# Altium PCB Stabiliser.PCBDOC (part 5 of 8)
Units mm, origin at the board's own origin, x right, y up, seen from the top; angles counter-clockwise.
Board outline 162.48 x 100 mm, 4 copper layers (Top, GP1(GND), L3, Bot), stack 1.648 mm thick; 687 components, 419 nets, 2139 pads, 1048 vias.
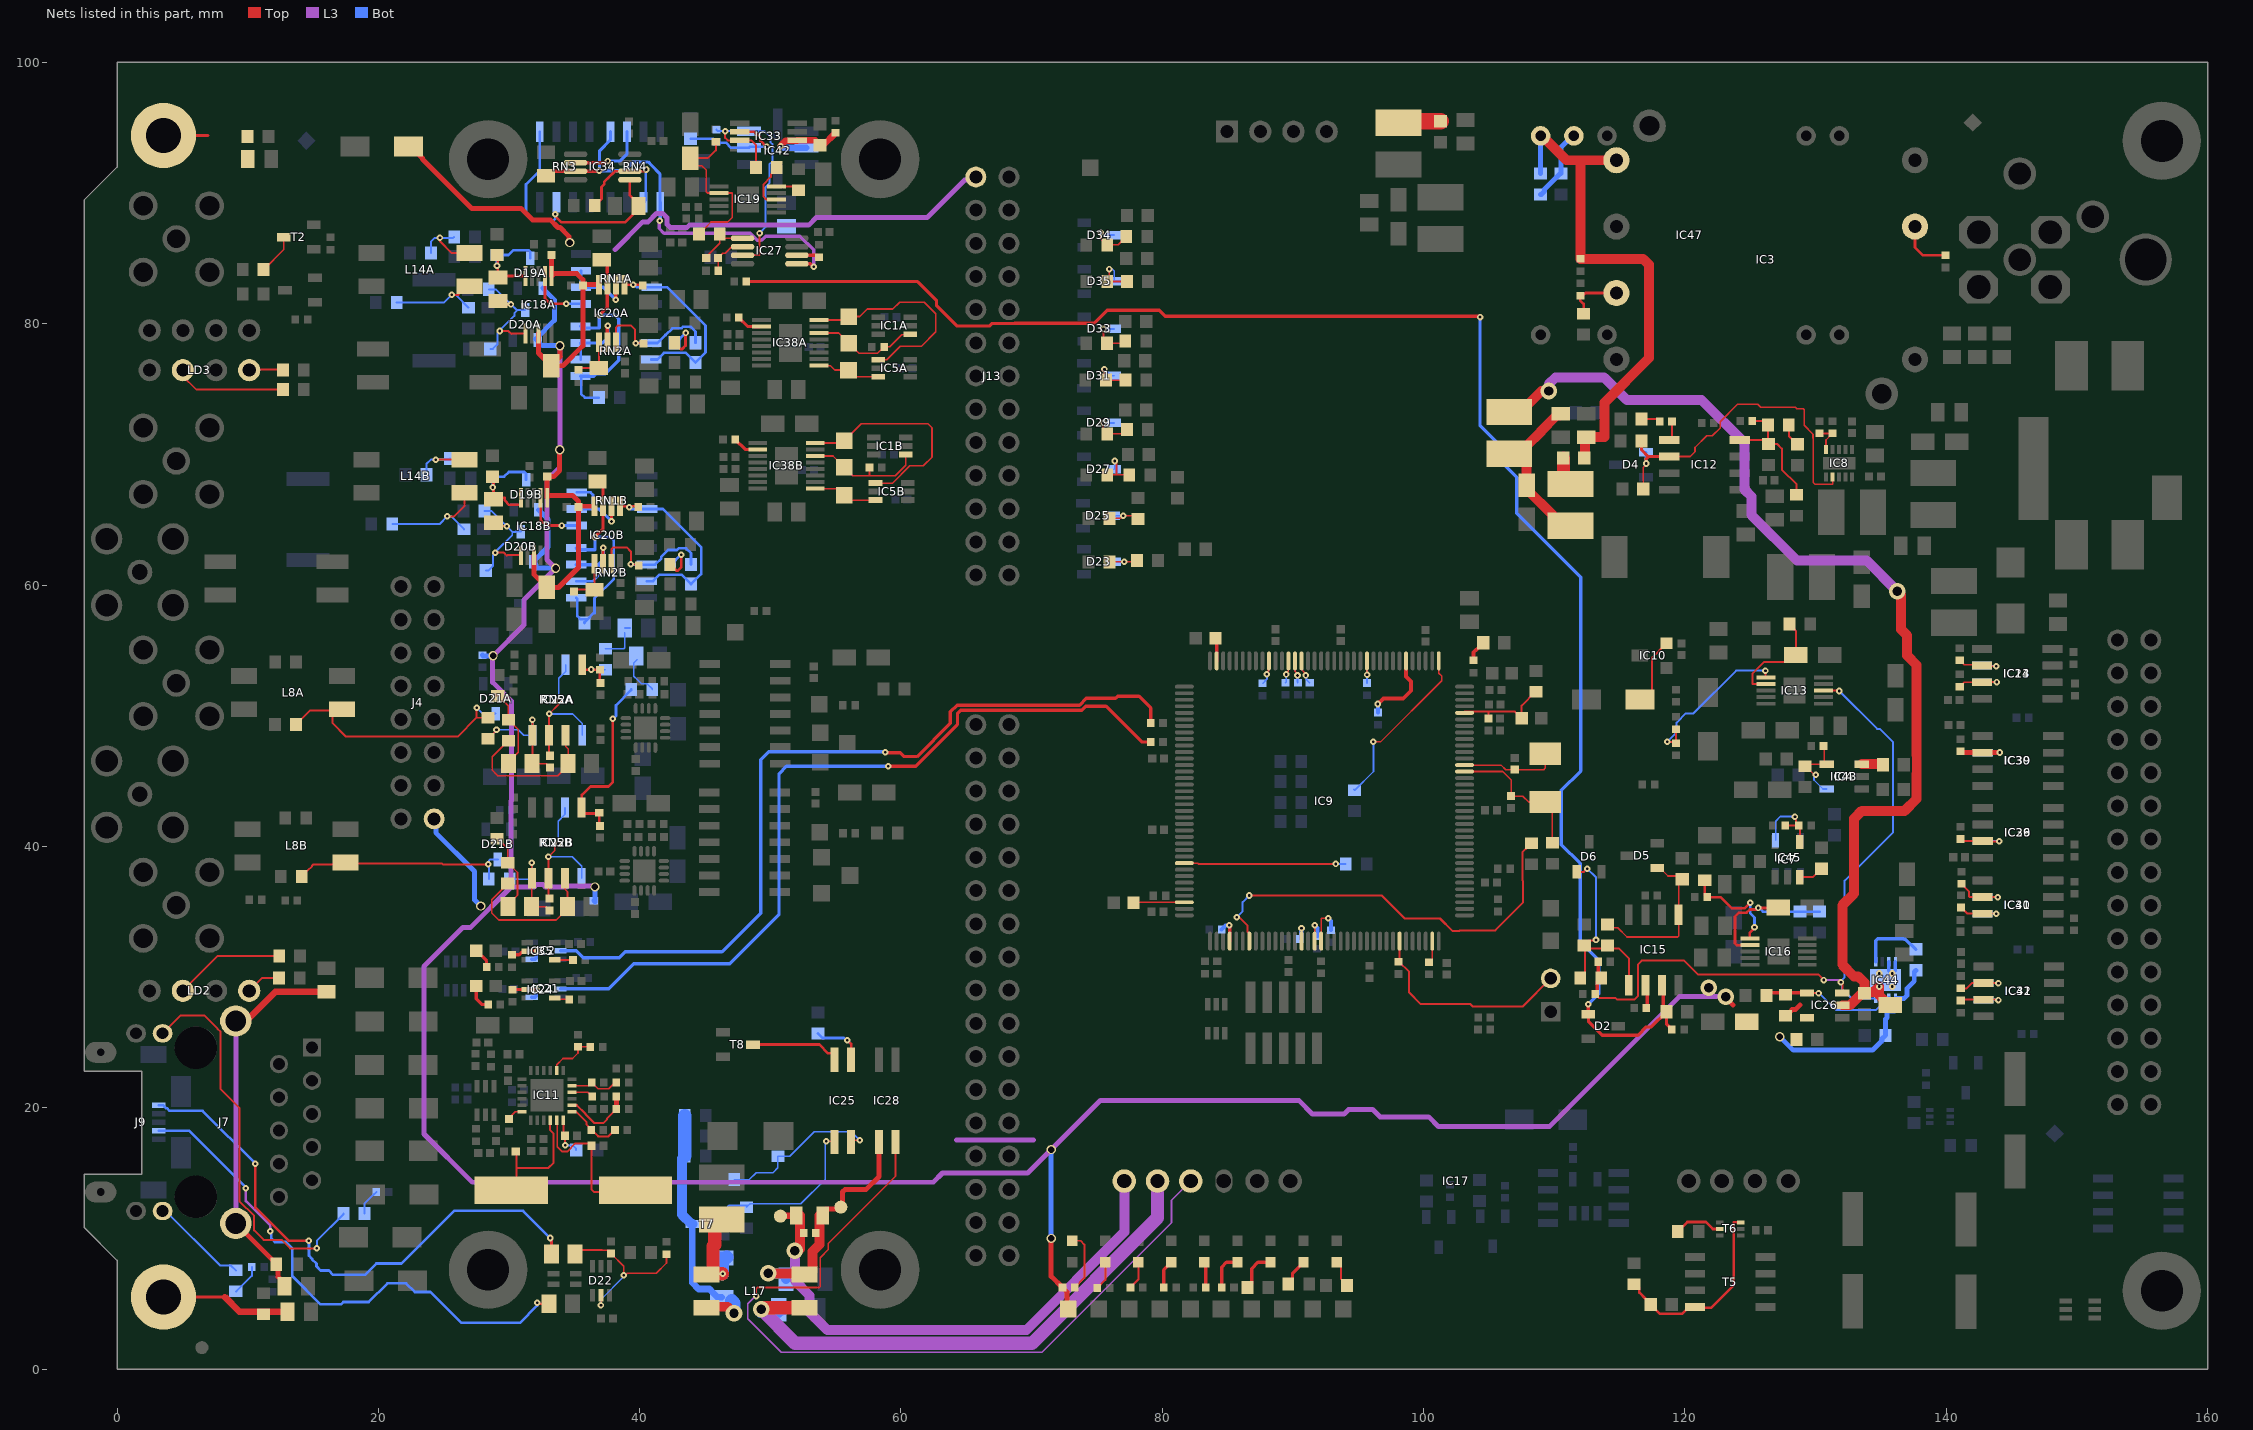
[diagram p7: the nets of this part, all layers, seen from the top]

## Via types
v1: diameter 0.5, hole 0.2, Top to Bot, tented both sides, 829 vias
v2: diameter 0.7, hole 0.5, Top to Bot, tented both sides, 83 vias
v3: diameter 0.5, hole 0.2, Top to Bot, 52 vias
v4: diameter 0.6, hole 0.3, Top to Bot, tented both sides, 41 vias
v5: diameter 1.27, hole 0.711, Top to Bot, tented both sides, 37 vias
v6: diameter 0.66, hole 0.33, Top to Bot, tented both sides, 5 vias
v7: diameter 1, hole 0.6, Top to Bot, tented both sides, 1 vias

## Nets (pads, with @x,y where several pads share a name; then routed paths per layer and width w, separated by ;. In a path a pad name is that pad's centre, name@x,y a point inside that pad or via, vN(x,y) a via of type N, cw(c..) or ccw(c..) an arc to the next point about the centre after c; other vN are vias at no path point) (continued)
N12V0A: C46.2 C89.2 C129A.2 C129B.2 C130A.2 C130B.2 C133A.2 C133B.2 C170.2 C174.2 D9.2 D19A.1 D19B.1 D20A.1 D20B.1 IC18A.3 IC18A.6 IC18B.3 IC18B.6 IC20A.4 IC20B.4 IC26.5 IC44.1 IC44.2 J4.16 J13.26 L18A.1 L18B.1 R32.2 R61.2 TP9.1 | length 328.1
  Top w0.381: D9.2@22.411,93.758 22.411,93.571 22.486,93.571 23.37,92.686 23.37,92.611 27.158,88.824 30.927,88.824 31.795,87.955 33.162,87.955 33.752,87.366 33.913,87.366 34.584,86.695 34.584,86.28 v2(34.645,86.219) ; IC18B.3@31.927,62.295 31.927,60.799 C130B.2@32.902,59.824 33.795,59.824 35.322,61.352 C133B.2@35.322,65.974 C133B.2@35.322,66.036 ; IC18A.3@32.261,79.259 32.261,77.764 C130A.2@33.236,76.789 ; C129A.2@33.261,85.264 IC18A.6@33.261,83.659 33.443,83.841 35.189,83.841 35.657,83.373 C133A.2@35.657,83.001 ; v2(33.884,70.358) 33.884,68.758 33.425,68.299 C129B.2@32.927,68.299 IC18B.6@32.927,66.695 33.108,66.876 34.855,66.876 35.322,66.408 C133B.2@35.322,66.036 ; v2(33.898,78.323) 33.898,77.578 33.961,77.514 C130A.2@33.236,76.789 ; IC20B.4@36.545,66.036 C133B.2@35.322,66.036 ; IC20A.4@36.88,83.001 C133A.2@35.657,83.001 ; v2(71.5,10) 71.5,7.105 R61.2@72.364,6.241 72.697,5.908 72.697,4.704 TP9.1@72.804,4.597 ; v5@123.071,28.467 123.66,27.877 ; R32.2@127.692,27.046 127.742,27.046 128.205,27.509 128.446,27.509 128.792,27.856 128.792,27.877 ; C130A.2@33.236,76.789 34.129,76.789 35.657,78.317 C133A.2@35.657,82.939 C133A.2@35.657,83.001
  L3 w0.381: v2(33.884,70.358) 33.884,69.012 32.893,68.021 32.893,61.965 v2(33.563,61.295) 31.146,58.877 31.146,56.957 28.749,54.56 28.749,52.563 30.196,51.116 30.196,43.515 30.15,43.469 30.15,36.902 ; v2@33.898,70.358 v2(33.898,78.323) ; v2(36.576,36.906) 36.495,36.987 34.476,36.987 34.391,36.902 32.792,36.902 32.592,37.102 32.122,37.102 31.921,36.902 30.15,36.902 ; 38.125,85.693 40.24,87.808 40.65,87.808 41.294,88.451 41.764,88.451 42.096,88.119 42.096,87.607 42.32,87.384 43.632,87.384 43.802,87.554 52.934,87.554 53.518,88.138 62.001,88.138 64.87,91.007 65.497,91.007 J13.26@65.73,91.24 ; 64.258,17.526 70.141,17.526 ; v5(123.127,28.5) 119.567,28.5 109.621,18.554 101.137,18.554 100.387,19.304 96.665,19.304 96.097,19.872 94.263,19.872 93.92,19.528 91.485,19.528 90.445,20.568 75.265,20.568 v2(71.5,16.804) 69.7,15.004 63.176,15.004 62.473,14.3 27.196,14.3 23.5,17.996 23.5,30.831 26.482,33.813 27.061,33.813 30.15,36.902
  Bot w0.381: J4.16@24.27,42.11 24.397,41.983 24.397,41.059 27.356,38.1 27.356,35.916 v2(27.838,35.433) ; L18A.1@27.986,54.635 28.028,54.593 v2(28.778,54.593) ; D20B.1@31.859,61.794 32.981,62.917 32.981,65.033 D19B.1@32.254,65.759 ; D20B.1@32.057,61.597 31.956,61.495 32.156,61.295 v2(33.563,61.295) ; D19A.1@32.589,82.724 33.473,81.84 33.473,80.262 32.041,78.83 32.153,78.718 32.548,78.323 v2(33.898,78.323) ; L18B.1@36.489,35.847 36.576,35.76 v2(36.576,36.906) ; v2(71.5,10) v2(71.5,16.804) ; v2(127.26,25.438) 128.29,24.408 134.358,24.408 135.025,25.075 135.05,25.075 135.066,25.09 135.066,25.261 135.36,25.555 135.36,26.789 135.475,26.904 135.475,27.27 135.607,27.402 ; IC44.2@135.607,28.377 135.607,27.402 ; C170.2@137.674,30.518 137.549,30.393 137.549,29.688 137.002,29.14 137.002,28.6 136.778,28.377 IC44.1@136.107,28.377 136.107,27.485 136.023,27.402 135.607,27.402
  other v5: 121.832,29.186
N13V0: C19.2 C44.2 IC26.2 IC44.7 IC44.8 IC44.9 L13.2 | length 83.9
  Top w0.762: L13.2@107.25,73.326 107.489,73.326 109.017,74.854 v5(109.576,74.854) ; IC26.2@132.042,27.846 132.635,27.846 133.555,28.765 C44.2@133.731,28.765 133.731,29.591 133.265,30.057 132.936,30.057 132.042,30.951 132.042,35.498 132.929,36.386 132.929,42.124 133.532,42.727 136.816,42.727 137.725,43.635 137.725,45.528 137.74,45.543 137.74,46.964 137.725,46.979 137.725,53.885 137.008,54.602 137.008,56.144 136.531,56.621 136.531,59.252 v5(136.246,59.538) ; C44.2@133.756,28.765 133.85,28.859 134.439,28.859 v3(134.857,29.277) 134.857,28.632 135.618,27.871 C19.2@135.7,27.871
  L3 w0.762: v5(109.576,74.854) 109.576,75.382 110.089,75.895 113.823,75.895 115.55,74.168 121.278,74.168 124.571,70.875 124.571,67.306 125.095,66.782 125.095,65.354 128.575,61.874 133.909,61.874 v5(136.246,59.538)
  Bot w0.254: IC44.7@135.607,31.177 135.607,30.475 135.805,30.277 v3(135.857,30.277) 135.909,30.277 136.107,30.475 IC44.8@136.107,31.177
  other v3: 135.857,29.277 134.857,30.277
N13V0FIL: C18.2 C42.2 L12.2 L13.1 | length 14.7
  Top w0.762: L13.1@107.399,70.058 L13.1@107.885,69.572 ; C18.2@107.885,67.643 C18.2@107.885,67.368 ; C42.2@110.5,73.126 110.356,72.982 110.181,72.982 108.979,71.781 108.979,71.734 107.922,70.677 107.449,70.203 107.449,70.058 L13.1@106.553,70.058 107.039,69.572 L13.1@107.885,69.572 ; L12.2@111.25,64.544 110.5,64.544 109.881,65.163 109.881,65.372 C18.2@107.885,67.368 ; C18.2@107.885,67.368 L13.1@107.885,69.572
N13V0S: C40.2 IC3.4 IC47.11 L21.1 R143.1 R227.1 | length 40
  Top w0.762: IC47.11@108.957,94.388 109.057,94.388 110.928,92.516 112,92.516 ; L21.1@112.337,69.787 112.337,71.209 C40.2@112.454,71.326 113.843,71.326 113.843,73.964 117.25,77.371 117.25,84.524 116.804,84.97 112,84.97 112,92.516 ; IC3.4@114.75,92.516 112,92.516
  Bot w0.381: R227.1@108.957,91.5 IC47.11@108.957,94.388
NetB3_1: B3.1 C33.2 IC28.1 L17.4 R124.1 R127.1 | length 18.5
  Top w0.381: R124.1@54.001,11.76 54.001,11.985 54.285,12.27 55.272,12.27 55.524,12.522 55.524,13.551 55.733,13.76 57.339,13.76 58.312,14.733 IC28.1@58.312,17.374
  Top w0.762: v5@49.682,7.305 52.56,7.305 L17.4@52.62,7.244 53.02,7.244 53.239,7.463 53.239,8.992 53.772,9.525 R124.1@53.772,11.76
  Bot w0.762: v5@50.153,7.312 50.999,7.312 51.193,7.118 C33.2@51.193,6.891
  other v5: 49.835,7.332
NetB4_1: B4.1 IC17.1 R124.2 R127.2 | length 40.9
  Top w0.508: B4.1@50.775,11.709 50.8,11.735 51.975,11.735 R124.2@52.001,11.76
  Top w0.762: v5@52.057,8.986 52.255,9.185 R124.2@52.255,11.76
  L3 w0.762: v5(51.873,9.068) 51.873,6.775 53.008,5.639 53.008,4.348 54.359,2.997 69.607,2.997 77.094,10.484 IC17.1@77.094,14.391
NetC1A_1: C1A.1 IC22A.2 RN5A.3 RN5A.5 | length 11.3
  Top w0.127: C1A.1@33.152,46.94 33.067,47.025 v1(33.067,50.141) 33.812,50.887 v1(33.812,51.165)
  Bot w0.127: v1(33.067,50.141) 34.877,50.141 35.607,49.412 RN5A.5@35.607,48.51 ; v1(33.812,51.165) 33.812,52.87 34.337,53.395 RN5A.3@34.337,53.91
NetC1A_2: C1A.2 C120A.2 IC22A.1 R2A.1 RN5A.8 | length 10
  Top w0.127: R2A.1@28.392,48.25 29.045,48.903 v1(29.045,48.938) ; v1(31.797,49.695) 31.797,46.38 C120A.2@31.752,46.335 32.857,46.335 C1A.2@33.152,46.04
  Bot w0.127: v1(29.045,48.938) 30.702,48.938 31.13,48.51 RN5A.8@31.797,48.51 v1(31.797,49.695)
NetC1B_1: C1B.1 IC22B.2 RN5B.3 RN5B.5 | length 11.3
  Top w0.127: C1B.1@33.107,36.002 33.022,36.087 IC22B.2@33.022,37.572 v1(33.022,39.204) 33.502,39.684 33.502,39.962 v1(33.767,40.227)
  Bot w0.127: v1(33.022,39.204) 34.832,39.204 35.562,38.474 RN5B.5@35.562,37.572 ; v1(33.767,40.227) 33.767,41.932 34.292,42.457 RN5B.3@34.292,42.972
NetC1B_2: C1B.2 C120B.2 IC22B.1 R2B.1 RN5B.8 | length 7.8
  Top w0.127: v1(31.752,38.757) IC22B.1@31.752,37.572 31.752,35.442 C120B.2@31.707,35.397 32.812,35.397 C1B.2@33.107,35.102
  Bot w0.127: R2B.1@30.057,37.5 31.68,37.5 RN5B.8@31.752,37.572 v1(31.752,38.757)
NetC3A_1: C3A.1 IC22A.5 R153A.2 R172A.2 | length 3.8
  Top w0.203: IC22A.5@35.607,53.91 35.607,53.52 R153A.2@36.952,53.52 36.952,52.57 C3A.1@37.002,52.52
  Bot w0.127: v1(36.297,53.543) 36.309,53.531 R172A.2@37.38,53.531
NetC3B_1: C3B.1 IC22B.5 R153B.2 R172B.2 | length 14.2
  Top w0.203: C3B.1@36.957,41.582 36.907,41.632 R153B.2@36.907,42.582 36.849,42.524 35.591,42.524 35.562,42.552 IC22B.5@35.562,42.972 35.575,42.984 35.575,43.933 36.234,44.592 37.618,44.592 37.95,44.924 v1(37.95,49.761)
  Bot w0.203: v1(37.95,49.761) 38.191,50.002 38.191,50.8 39.356,51.965 R172B.2@39.356,52.015
NetC5_2: C5.2 R69.1 | length 1.6
  Top w0.254: C5.2@27.497,32.023 28.283,31.237 R69.1@28.283,30.76
NetC10_1: C10.1 R3.2 ST2.1 | length 3.4
  Top w0.203: ST2.1@3.556,94.412 6.963,94.412
NetC11_1: C11.1 R4.2 ST2.0 | length 10.1
  Top w0.203: ST2.0@3.556,5.512 8.255,5.512 8.438,5.512
  Top w0.508: 8.255,5.512 9.373,4.394 C11.1@13.045,4.394
NetC14_2: C14.2 C31.1 IC9.32 R95.2 | length 7.7
  Top w0.152: IC9.32@103.144,50.237 IC9.32@103.134,50.227 103.134,50.313 104.95,50.313 ; C31.1@104.959,49.8 104.959,50.304 104.95,50.313 ; R95.2@108.61,51.836 108.56,51.836 107.5,50.776 C14.2@107.5,49.8 106.987,50.313 104.95,50.313
NetC21_2: C21.2 IC9.23 Q1.2 R179.2 | length 11.2
  Top w0.127: IC9.23@103.134,45.727 103.138,45.731 106.059,45.731 106.699,45.091 C21.2@106.699,43.85 107.585,43.85 108.035,43.4 Q1.2@109.314,43.4 109.855,42.859 R179.2@109.855,40.284
NetC23_2: C23.2 IC9.24 Q1.1 | length 7.5
  Top w0.127: IC9.24@103.134,46.227 105.923,46.227 106.275,45.874 C23.2@106.974,45.874 109.19,45.874 109.314,45.999 Q1.1@109.314,47.1
NetC24_1: C24.1 IC9.106 | length 3.9
  Top w0.127: C24.1@77.798,35.684 77.841,35.726 IC9.106@81.684,35.727
NetC25_1: C25.1 IC9.71 | length 1.8
  Top w0.254: C25.1@84.075,55.927 84.159,55.842 IC9.71@84.159,54.202
NetC47_1: C47.1 IC7.3 | length 1.9
  Top w0.152: IC7.3@128.792,37.645 129.791,37.645 C47.1@130.442,38.296
NetC66_2: C66.2 D5.1 IC15.5 R52.1 | length 12.6
  Top w0.127: R52.1@114.075,34.027 114.313,33.789 114.851,33.789 115.569,33.072 119.44,33.072 119.514,33.147 IC15.5@119.514,34.779 119.514,37.178 119.825,37.489 119.58,37.734 118.705,37.734 118.089,38.351 D5.1@117.889,38.351
NetC68_2: C68.2 D2.1 IC15.3 R22.2 R48.2 | length 128.6
  Top w0.254: R22.2@48.171,83.236 61.268,83.236 62.723,81.781 62.723,81.382 64.273,79.832 66.804,79.832 66.997,80.026 68.706,80.026 68.716,80.035 74.786,80.035 75.776,81.026 79.768,81.026 80.225,80.569 104.267,80.569 v1(104.318,80.518) ; v1(112.598,27.924) D2.1@112.598,27.173 112.616,27.155 112.616,26.615 113.679,25.552 116.414,25.552 117.05,26.188 117.431,26.188 C68.2@118.59,27.348 ; IC15.3@118.244,29.379 118.336,29.287 118.336,27.601 C68.2@118.59,27.348 ; R48.2@119.005,25.982 118.59,26.397 C68.2@118.59,27.348
  Bot w0.254: v1(104.318,80.518) 104.318,72.205 105.86,70.663 105.86,69.501 107.117,68.243 107.117,65.503 112.014,60.606 112.014,45.771 110.541,44.298 110.541,40.132 111.976,38.697 111.976,32.722 113.4,31.299 113.4,28.725 v1(112.598,27.924)
NetC69_2: C69.2 D4.1 IC8.7 IC12.6 R56.1 | length 27
  Top w0.127: C69.2@116.821,67.353 116.821,69.009 v1@117.015,69.203 ; IC12.6@118.799,69.838 120.41,69.838 120.768,70.197 120.768,70.535 121.658,71.425 122.091,71.425 122.693,72.026 122.693,72.516 124.024,73.846 125.565,73.846 125.798,73.614 128.456,73.614 128.565,73.505 129.051,73.505 129.125,73.43 129.125,72.227 129.799,71.552 129.799,71.239 129.819,71.219 129.819,67.858 129.951,67.726 131.3,67.726 IC8.7@131.3,68.278
  Top w0.254: R56.1@116.675,71.043 116.675,70.372 117.209,69.838 ; v1@117.015,69.308 117.015,69.644 117.209,69.838 ; IC12.6@118.799,69.838 117.209,69.838
  Bot w0.254: v1(117.025,69.308) D4.1@117.025,70.153
NetC75_2: C75.2 IC27.5 IC34.3 RN4.1 RN4.5 | length 33.2
  Top w0.254: C75.2@32.834,91.336 33.175,91.676 IC34.3@35.096,91.676 36.88,91.676 v1(36.921,91.717) ; IC27.5@51.318,84.509 51.408,84.6 IC27.5@52.03,84.6 52.037,84.593 53.048,84.593 53.262,84.379 v1(53.319,84.379)
  L3 w0.254: v1(41.529,87.884) 41.507,87.862 41.507,87.294 41.862,86.939 48.467,86.939 49,86.406 49.28,86.406 49.314,86.44 49.383,86.44 49.653,86.71 52.265,86.71 53.319,85.656 v1(53.319,84.379)
  Bot w0.254: RN4.5@37.766,94.701 37.766,94.067 36.921,93.222 v1(36.921,91.717) 38.827,91.717 39.494,92.385 40.641,92.385 40.91,92.116 41.555,91.471 41.555,89.322 RN4.1@41.576,89.301 41.576,87.998 41.529,87.951 v1(41.529,87.884)
NetC76_2: C76.2 IC34.5 RN3.3 RN3.5 | length 19.3
  Top w0.203: v1(33.528,88.392) 33.528,88.251 33.994,87.785 38.902,87.785 39.911,88.794 C76.2@39.911,89.015 39.911,89.171 39.246,89.836 IC34.5@39.246,91.026
  Bot w0.203: RN3.5@32.357,94.701 32.357,91.722 31.304,90.67 31.304,88.376 31.797,87.884 33.382,87.884 33.528,88.03 v1(33.528,88.392)
NetC82_2: C82.2 IC11.4 Q2.2 | length 9.5
  Top w0.152: C82.2@30.556,16.641 30.556,15.392 ; Q2.2@30.681,13.551 30.556,13.676 30.556,15.392 ; IC11.4@33.155,19.045 33.155,18.28 33.414,18.021 33.414,15.805 33.001,15.392 30.556,15.392
NetC83_2: C83.2 C87.2 IC11.6 | length 3.1
  Top w0.152: IC11.6@34.155,19.045 34.155,17.998 C83.2@34.297,17.856 v1(34.297,17.127)
  L3 w0.152: v1@34.265,17.094 v1(34.297,17.127)
  Bot w0.152: v1(34.297,17.127) 34.867,17.127 35.141,16.853 C87.2@35.141,16.764
NetC91_2: C91.2 IC11.5 Q2.1 | length 12.6
  Top w0.152: IC11.5@33.655,19.045 33.693,19.008 33.693,17.025 34.077,16.641 34.452,16.641 35.083,17.272 36.32,17.272 C91.2@36.32,17.094 36.32,13.741 36.511,13.551 Q2.1@40.181,13.551
NetC94_1: C94.1 R68.2 | length 1.8
  Top w0.152: R68.2@127.952,72.263 127.952,71.413 128.575,70.79 C94.1@128.6,70.79
NetC95_2: C95.2 R104.1 | length 1.5
  Top w0.152: C95.2@116.675,72.703 117.876,72.703 R104.1@118.071,72.508
NetC102_1: C102.1 C103.1 J7.S1 J7.S2 R135.2 | length 29.8
  Top w0.381: J7.S2@9.09,11.15 12.332,7.909 12.332,7.063 C103.1@13.045,6.35
  Top w0.508: J7.S1@9.09,26.64 9.887,26.64 12.127,28.88 C102.1@16.03,28.88
  L3 w0.381: J7.S2@9.09,11.15 J7.S1@9.09,26.64
NetC104_1: C104.1 IC27.1 R158.1 | length 4.1
  Top w0.127: C104.1@45.1,85.037 45.1,85.135 46.136,86.171 R158.1@46.136,86.864 46.451,86.55 IC27.1@47.88,86.55
NetC104_2: C104.2 IC27.2 R156.2 | length 3.2
  Top w0.127: R156.2@46.02,84.06 46.02,85.017 C104.2@46,85.037 46.352,85.388 46.544,85.388 47.055,85.9 IC27.2@47.88,85.9
NetC105_2: C105.2 IC17.2 L17.3 | length 43
  Top w1.016: v5@49.359,4.704 L17.3@52.62,4.704
  L3 w1.016: v5@49.301,4.57 51.89,1.981 70.036,1.981 79.634,11.579 IC17.2@79.634,14.391
  Bot w1.016: v5(49.299,4.572) 49.299,4.42 50.579,4.42 50.646,4.487 C105.2@50.646,4.547
NetC106A_2: C106A.2 IC22A.3 R11A.2 | length 11.5
  Top w0.127: R11A.2@29.952,48.095 28.717,46.86 28.717,45.846 29.144,45.419 33.738,45.419 34.465,46.146 34.527,46.146 C106A.2@34.527,46.335 34.527,47.463 34.337,47.653 IC22A.3@34.337,48.51
NetC106B_2: C106B.2 IC22B.3 R11B.2 | length 11.6
  Top w0.127: R11B.2@29.907,37.157 28.673,35.922 28.673,34.908 29.206,34.375 33.613,34.375 34.482,35.244 C106B.2@34.482,35.397 34.482,36.525 34.292,36.715 IC22B.3@34.292,37.572
NetC109_2: C109.2 D22.5 FB1.1 R75.1 | length 13.7
  Top w0.127: FB1.1@35.05,8.799 35.369,9.118 37.126,9.118 37.145,9.098 37.685,9.098 C109.2@37.87,8.914 ; v1(37.038,4.878) 37.048,4.888 37.048,5.956 D22.5@37.038,5.966 ; C109.2@37.807,8.852 38.792,7.867 v1(38.792,7.182) 38.893,7.182 39.043,7.332 41.269,7.332 42.051,8.114 R75.1@42.051,8.802 R75.1@41.939,8.914
  Bot w0.127: v1(37.038,4.878) 37.038,5.333 38.792,7.087 v1(38.792,7.182)
NetC110A_2: C110A.2 C111A.2 D19A.3 IC18A.10 R81A.2 | length 7.8
  Top w0.203: C110A.2@29.081,85.264 29.151,85.194 C111A.2@29.151,83.544 29.266,83.659 IC18A.10@31.261,83.659
  Bot w0.203: R81A.2@29.081,85.264 29.963,85.264 30.321,85.622 31.524,85.622 31.639,85.508 D19A.3@31.639,85.024 ; v1(29.081,84.439) R81A.2@29.081,85.094
NetC110B_2: C110B.2 C111B.2 D19B.3 IC18B.10 R81B.2 | length 8.7
  Top w0.203: C110B.2@28.747,68.299 28.817,68.229 C111B.2@28.817,66.579 28.932,66.695 29.678,66.695 29.678,66.485 30.017,66.146 30.927,66.146 IC18B.10@30.927,66.695
  Bot w0.203: v1(28.747,67.474) R81B.2@28.747,68.129 ; R81B.2@28.747,68.299 29.628,68.299 29.986,68.658 31.19,68.658 31.304,68.543 D19B.3@31.304,68.059
NetC111A_1: C111A.1 C124A.2 D20A.3 IC18A.1 R88A.2 | length 10.6
  Top w0.152: C111A.1@29.151,81.744 29.415,81.481 v1(30.151,81.481) ; v1(29.29,79.449) 29.953,79.449 30.175,79.227 30.207,79.259 IC18A.1@31.261,79.259
  Bot w0.152: R88A.2@28.451,82.644 28.988,82.644 v1(30.151,81.481) 30.573,81.059 30.67,81.059 ; C124A.2@28.566,78.074 28.761,78.074 29.105,78.417 29.105,79.263 v1(29.29,79.449) 29.29,79.502 30.404,80.615 30.404,80.793 30.67,81.059 ; D20A.3@31.243,81.059 30.67,81.059
NetC111B_1: C111B.1 C124B.2 D20B.3 IC18B.1 R88B.2 | length 10.6
  Top w0.152: C111B.1@28.817,64.779 29.08,64.516 v1(29.817,64.516) ; v1(28.956,62.484) 29.619,62.484 29.841,62.262 29.873,62.295 IC18B.1@30.927,62.295
  Bot w0.152: R88B.2@28.117,65.679 28.654,65.679 v1(29.817,64.516) 30.249,64.084 ; C124B.2@28.232,61.11 28.427,61.11 28.77,61.453 28.77,62.298 v1(28.956,62.484) 28.956,62.537 30.249,63.83 30.249,64.084 ; D20B.3@30.909,64.094 30.513,64.094 30.503,64.084 30.249,64.084
NetC113A_2: C113A.2 IC20A.3 R85A.2 RN2A.1 RN2A.4 | length 18.2
  Top w0.254: v1(36.91,80.649) 37.53,81.269 IC20A.3@37.53,83.001 37.53,84.47 C113A.2@37.105,84.895
  Bot w0.203: RN2A.1@35.48,75.994 35.529,75.945 35.529,74.627 35.81,74.345 R85A.2@36.88,74.345
  Bot w0.254: RN2A.1@35.48,75.994 36.478,75.994 36.671,76.188 37.376,76.188 38.406,77.217 38.406,80.387 38.143,80.649 v1(36.91,80.649) 36.91,79.676 35.608,79.676 RN2A.4@35.48,79.804
NetC113B_2: C113B.2 IC20B.3 R85B.2 RN2B.1 RN2B.4 | length 18.3
  Top w0.254: v1(36.576,63.684) 37.195,64.304 IC20B.3@37.195,66.036 37.195,67.506 C113B.2@36.77,67.931
  Bot w0.203: RN2B.1@35.145,59.029 35.235,58.94 35.235,57.621 35.476,57.38 R85B.2@36.001,57.38 ; R85B.2@35.776,57.105 35.776,57.155 R85B.2@36.001,57.38 ; v1(36.576,63.684) 37.738,63.684 38.024,63.398 38.024,60.477 36.545,58.999 36.545,57.849 36.47,57.849 R85B.2@36.001,57.38
  Bot w0.254: RN2B.4@35.145,62.839 35.274,62.711 36.576,62.711 v1(36.576,63.684)
NetC114_1: C114.1 IC16.7 R210.2 R211.2 | length 11.6
  Top w0.203: IC16.7@124.962,32.448 123.973,32.448 123.834,32.586 123.834,34.644 124.122,34.931 124.725,34.931 124.972,35.179 v1@125.606,35.179 ; v1(125.606,35.292) 127.113,35.292 C114.1@127.146,35.325
  Bot w0.203: v1(125.606,35.292) 125.686,35.292 125.964,35.014 R210.2@128.82,35.014 R211.2@130.3,35.014
NetC116_2: C116.2 R6.1 | length 2.1
  Top w0.254: C116.2@27.497,29.321 27.497,28.338 27.937,27.898 R6.1@28.397,27.898
NetC118_1: C118.1 IC13.7 R25.2 | length 8.3
  Top w0.152: IC13.7@126.191,52.423 125.18,52.423 125.18,53.24 126.045,54.105 127.947,54.105 C118.1@128.495,54.654 128.495,56.508 128.406,56.598 128.366,56.598 127.992,56.971 R25.2@127.992,57.021
NetC120A_1: C120A.1 R9A.2 R11A.1 | length 6.2
  Top w0.127: R9A.2@29.142,51.52 29.192,51.52 29.952,50.76 R11A.1@29.952,49.695 30.702,48.945 30.702,47.201 29.952,46.451 C120A.1@29.952,46.335
NetC120B_1: C120B.1 R9B.2 R11B.1 | length 6.2
  Top w0.127: R9B.2@29.097,40.582 29.147,40.582 29.907,39.822 R11B.1@29.907,38.757 30.657,38.007 30.657,36.263 29.907,35.513 C120B.1@29.907,35.397
NetC131A_2: C131A.2 IC20A.5 R91A.2 | length 3.6
  Top w0.152: R91A.2@35.305,76.474 35.445,76.614 C131A.2@36.88,76.614 IC20A.5@36.88,78.601
NetC131B_2: C131B.2 IC20B.5 R91B.2 | length 3.6
  Top w0.152: R91B.2@34.971,59.51 35.11,59.649 C131B.2@36.545,59.649 IC20B.5@36.545,61.636
NetC134_1: C134.1 IC4.3 | length 1.6
  Top w0.762: IC4.3@133.542,46.296 135.114,46.296 C134.1@135.157,46.253
NetC136_1: C136.1 R207.1 | length 1.7
  Top w0.298: R207.1@103.83,54.244 103.83,54.866 104.005,55.041 104.03,55.041 104.556,55.567 C136.1@104.556,55.592
NetC141_1: C141.1 IC19.7 R157.2 R158.2 | length 13.2
  Top w0.127: C141.1@43.873,92.68 43.873,92.655 44.435,92.094 44.764,92.094 45.087,91.771 45.087,90.108 45.18,90.015 IC19.7@46.087,90.015 47.084,90.015 47.084,88.134 46.742,87.791 45.463,87.791 44.973,87.301 44.923,87.301 44.536,86.914 R158.2@44.536,86.864
  Top w0.152: C141.1@43.873,92.68 45.228,92.68 45.825,93.277 R157.2@45.825,93.942
NetC149_2: C149.2 IC33.2 IC42.2 R120.2 | length 7
  Top w0.508: v1(50.806,93.591) 50.806,93.641 51.182,94.017 52.046,94.017 IC33.2@52.075,94.046 53.415,94.046 C149.2@53.8,93.661 54.046,93.661 R120.2@54.995,94.61
  Bot w0.508: v1(50.806,93.591) 50.925,93.472 IC42.2@52.764,93.472
NetC153A_1: C153A.1 R172A.1 | length 3.1
  Bot w0.127: R172A.1@37.38,55.131 38.778,55.131 38.852,55.205 38.852,56.361 C153A.1@38.854,56.363 ; C153A.1@38.848,56.717 C153A.1@39.288,56.717
NetC153B_1: C153B.1 R172B.1 | length 3.2
  Bot w0.127: C153B.1@39.792,54.277 39.552,54.037 39.552,53.038 39.885,52.706 40.139,52.452 40.569,52.452 40.956,52.065 R172B.1@40.956,52.015
NetC156_1: C156.1 L17.2 R19.2 R29.2 R166.2 T7.3 | length 19
  Top w0.762: L17.2@45.12,4.704 45.185,4.77 46.716,4.77 v5(47.219,4.267)
  Bot w0.508: T7.3@44.037,11.093 44.037,6.61 44.513,6.134 45.339,6.134 45.636,5.836 45.636,5.818 45.957,5.497 C156.1@46.282,5.497
  Bot w0.762: R166.2@43.25,16.113 43.25,11.817 43.974,11.093 T7.3@44.037,11.093
  Bot w1.016: R166.2@43.45,16.313 R19.2@43.45,17.845 R29.2@43.45,19.393 ; C156.1@47.045,5.224 47.219,5.05 v5(47.219,4.267)